# Altium PCB х__логия_v25.PcbDoc (part 1 of 3) (continued)
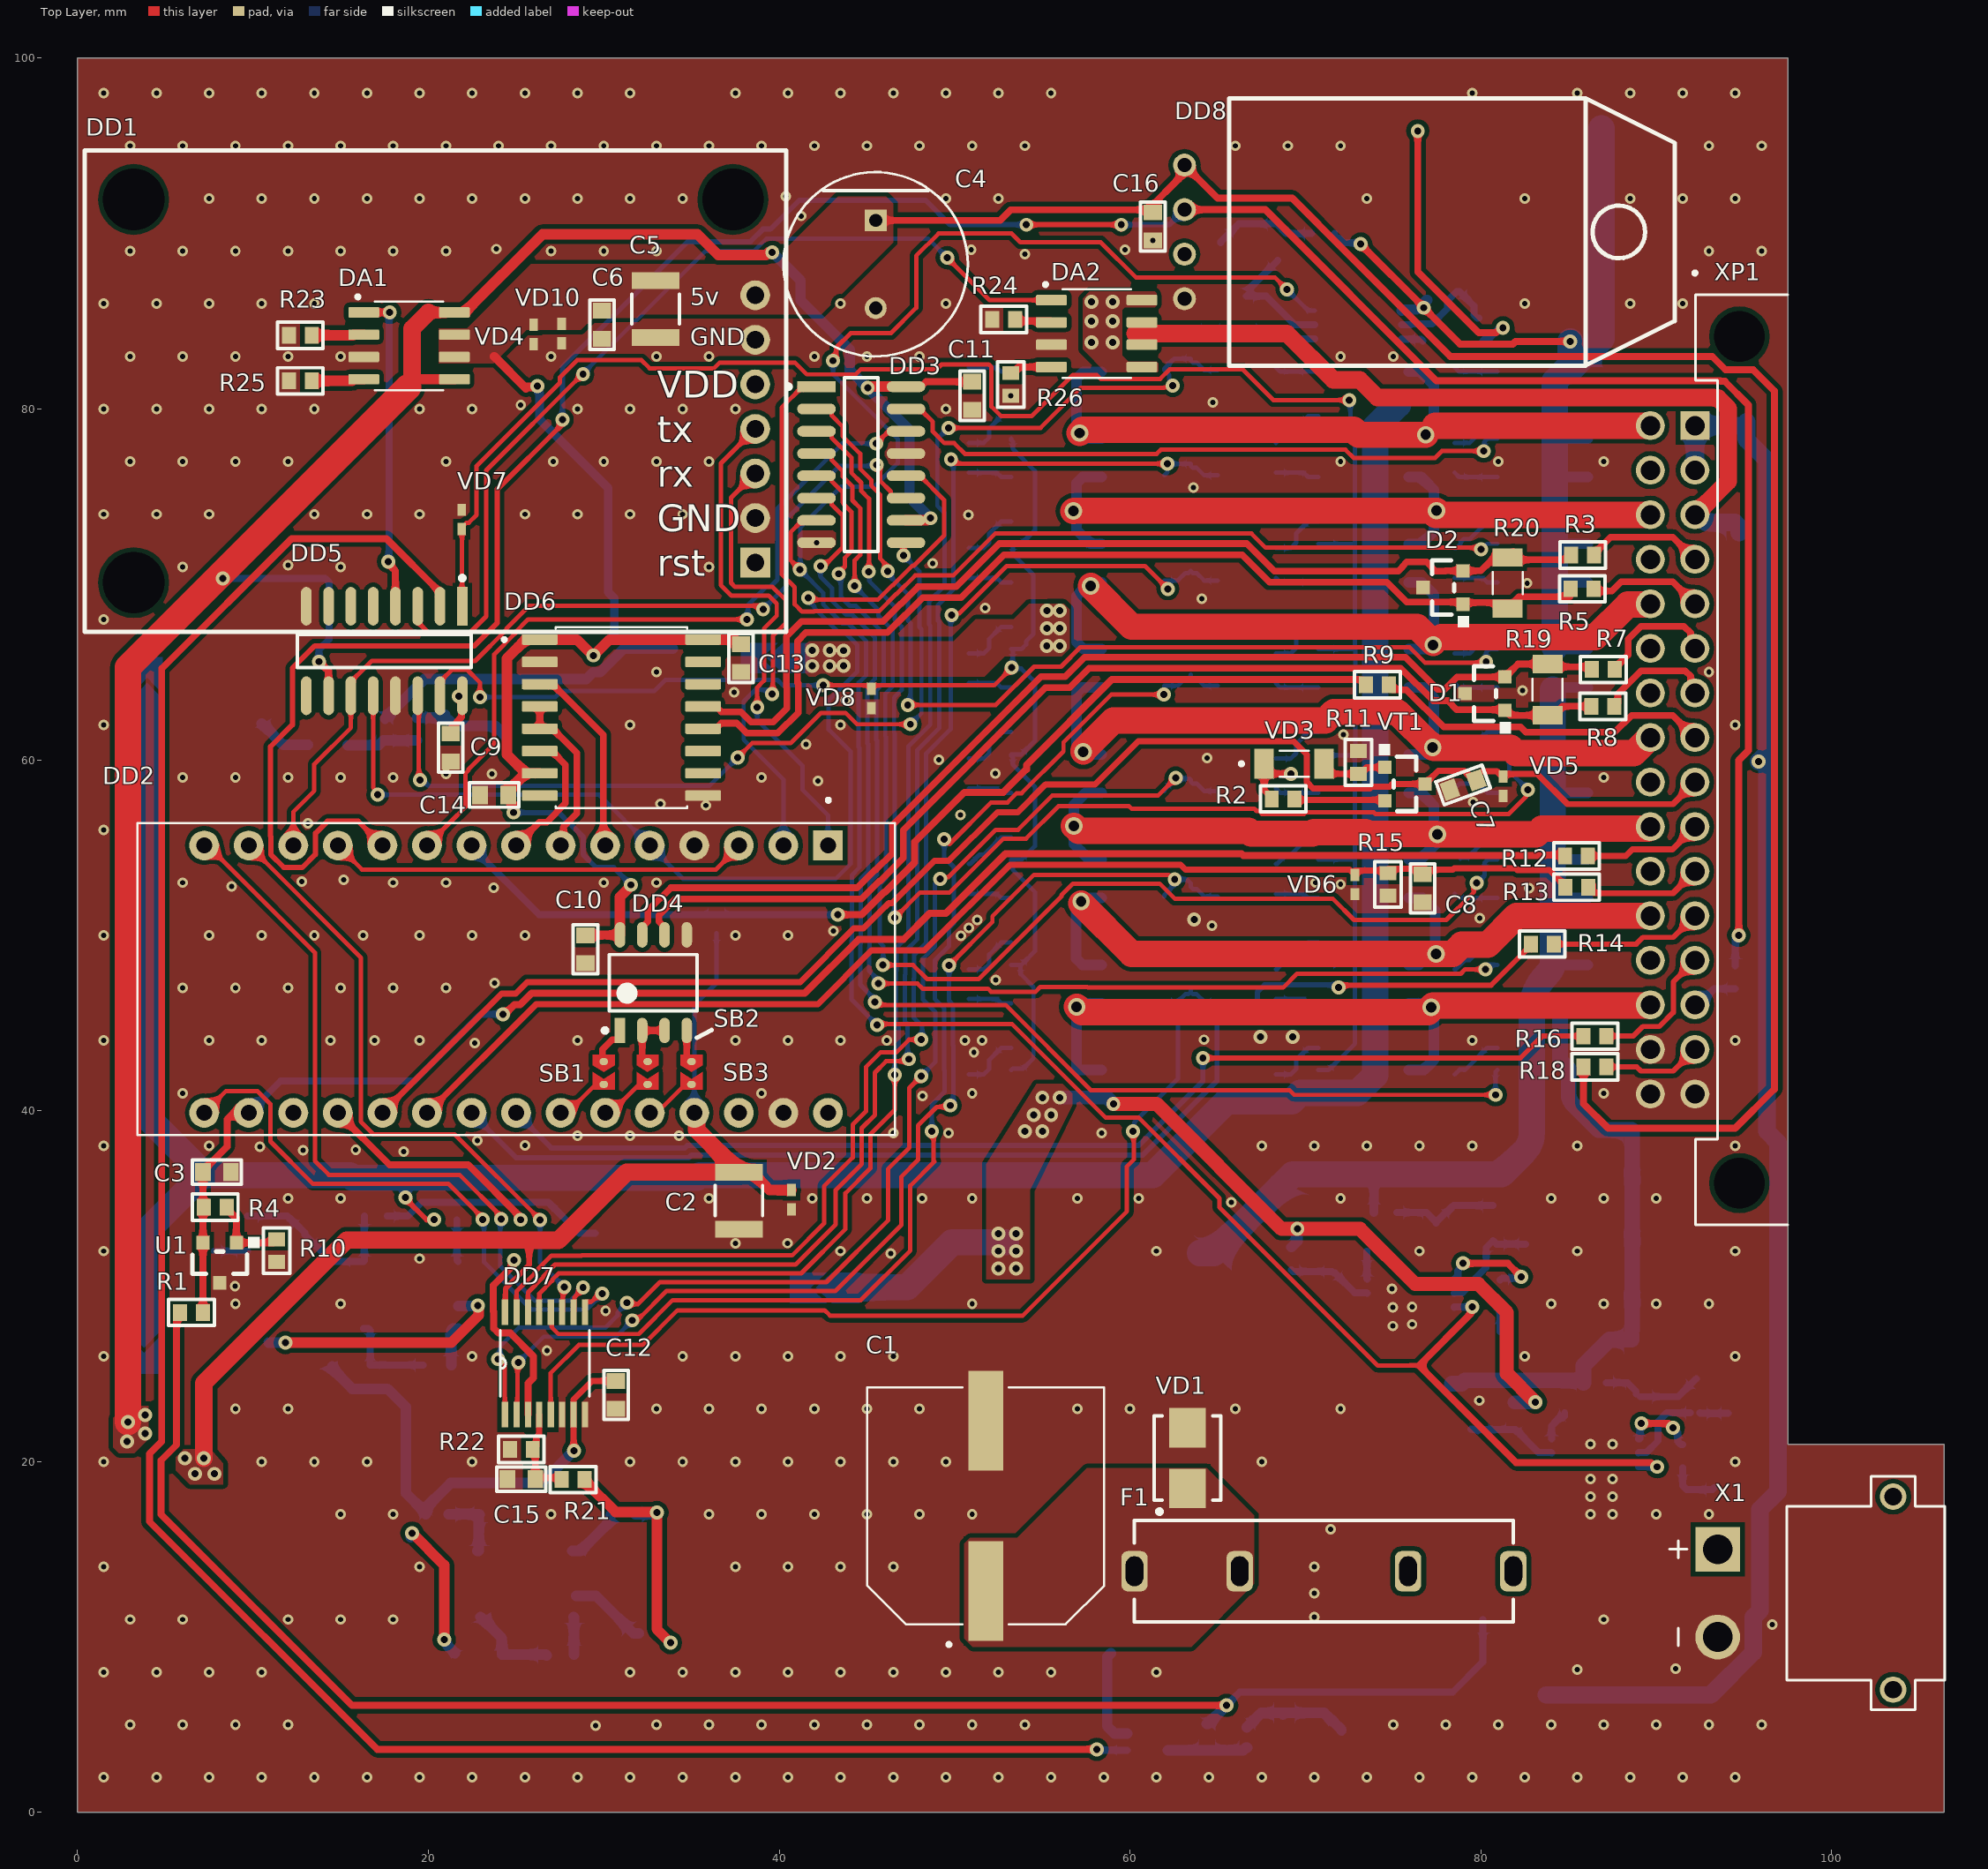
[diagram p0: Top Layer view]
## Components (designator, comment, footprint, x,y, rotation, side; value= is the part's Value field where it differs from the comment) (continued)
R1 "Resistor" 0603R 6.5,28.5 r180 top value="1,0 к"
R2 "Resistor" 0603R 68.725,57.775 r180 top value="1,8 к"
R3 "Resistor" 0603R 85.8,71.675 r0 top value=10
R4 "Resistor" 0603R 7.85,34.5 r180 top value="1,0 к"
R5 "Resistor" 0603R 85.775,69.75 r0 top value=10
R6 "Resistor" 0603R 36.425,50.775 r270 bottom value="10 к"
R7 "Resistor" 0603R 86.975,65.15 r0 top value=10
R8 "Resistor" 0603R 86.95,63.05 r0 top value=10
R9 "Resistor" 0603R 74.1,64.275 r0 top value=10
R10 "Resistor" 0603R 11.35,32.025 r90 top value="1,0 к"
R11 "Resistor" 0603R 73.025,59.85 r270 top value="5,1 к"
R12 "Resistor" 0603R 85.45,54.525 r0 top value=10
R13 "Resistor" 0603R 85.461,52.744 r0 top value=10
R14 "Resistor" 0603R 83.5,49.5 r0 top value=10
R15 "Resistor" 0603R 74.7,52.9 r90 top value="100 к"
R16 "Resistor" 0603R 86.5,44.25 r0 top value=10
R17 "Resistor" 0603R 94.5,47.6 r270 bottom value=10
R18 "Resistor" 0603R 86.5,42.5 r0 top value=10
R19 "Resistor" 1206R 83.8,64 r90 top value=120
R20 "Resistor" 1206R 81.525,70.075 r270 top value=120
R21 "Resistor" 0603R 28.25,18.975 r0 top value="18 к"
R22 "Resistor" 0603R 25.3,20.7 r0 top value="10 к"
R23 "Resistor" 0603R 12.7,84.2 r0 top value="15 к"
R24 "Resistor" 0603R 52.8,85.1 r0 top value="15 к"
R25 "Resistor" 0603R 12.7,81.6 r0 top value="1,0 к"
R26 "Resistor" 0603R 53.2,81.4 r90 top value="1,0 к"
R27_1 "Resistor" 0603R 71,90 r0 bottom value="130 к" (schematic designator R27)
R27_2 "Resistor" 0603R 74.55,34.2 r180 bottom value="130 к" (schematic designator R27)
R27_3 "Resistor" 0603R 86.5,24.5 r180 bottom value="130 к" (schematic designator R27)
R28_1 "Resistor" 0603R 80.1,84.525 r270 bottom value=10 (schematic designator R28)
R28_2 "Resistor" 0603R 69.2,31.575 r90 bottom value=10 (schematic designator R28)
R28_3 "Resistor" 0603R 81.9,22.725 r90 bottom value=10 (schematic designator R28)
R29_1 "TC33X-2-503E" 3mm_trim 66.625,89.475 r180 bottom value="50 к" (schematic designator R29)
R29_2 "TC33X-2-503E" 3mm_trim 78.9,33.6 r180 bottom value="50 к" (schematic designator R29)
R29_3 "TC33X-2-503E" 3mm_trim 90.475,23.725 r180 bottom value="50 к" (schematic designator R29)
R30_1 "Resistor" 0603R 66.15,84.5 r180 bottom value="56 к" (schematic designator R30)
R30_2 "Resistor" 0603R 81.1,29.7 r270 bottom value="56 к" (schematic designator R30)
R30_3 "Resistor" 0603R 91.5,20.3 r270 bottom value="56 к" (schematic designator R30)
R31_1 "Resistor" 0603R 65.975,86.425 r180 bottom value="10 к" (schematic designator R31)
R31_2 "Resistor" 0603R 83.2,32.4 r0 bottom value="10 к" (schematic designator R31)
R31_3 "Resistor" 0603R 94.75,22.75 r0 bottom value="10 к" (schematic designator R31)
R32_1 "Resistor" 0603R 68.311,78.719 r270 bottom value="15 к" (schematic designator R32)
R32_2 "Resistor" 0603R 68.311,72.719 r270 bottom value="15 к" (schematic designator R32)
R32_3 "Resistor" 0603R 68.311,66.719 r270 bottom value="15 к" (schematic designator R32)
R32_4 "Resistor" 0603R 68.4,60.875 r270 bottom value="15 к" (schematic designator R32)
R32_5 "Resistor" 0603R 68.311,54.719 r270 bottom value="15 к" (schematic designator R32)
R32_6 "Resistor" 0603R 68.311,48.719 r270 bottom value="15 к" (schematic designator R32)
R32_7 "Resistor" 0603R 68.311,42.719 r270 bottom value="15 к" (schematic designator R32)
R33_1 "Resistor" 0603R 68.311,81.719 r90 bottom value="1,0 к" (schematic designator R33)
R33_2 "Resistor" 0603R 68.311,75.719 r90 bottom value="1,0 к" (schematic designator R33)
R33_3 "Resistor" 0603R 68.311,69.719 r90 bottom value="1,0 к" (schematic designator R33)
R33_4 "Resistor" 0603R 68.311,63.719 r90 bottom value="1,0 к" (schematic designator R33)
R33_5 "Resistor" 0603R 68.325,57.6 r90 bottom value="1,0 к" (schematic designator R33)
R33_6 "Resistor" 0603R 68.311,51.719 r90 bottom value="1,0 к" (schematic designator R33)
R33_7 "Resistor" 0603R 68.311,45.719 r90 bottom value="1,0 к" (schematic designator R33)
R34_1 "Resistor" 0603R 50.811,78.719 r270 bottom value="15 к" (schematic designator R34)
R34_2 "Resistor" 0603R 50.811,72.719 r270 bottom value="15 к" (schematic designator R34)
R34_3 "Resistor" 0603R 50.811,66.719 r270 bottom value="15 к" (schematic designator R34)
R34_4 "Resistor" 0603R 50.811,60.719 r270 bottom value="15 к" (schematic designator R34)
R34_5 "Resistor" 0603R 50.811,54.719 r270 bottom value="15 к" (schematic designator R34)
R34_6 "Resistor" 0603R 50.811,48.719 r270 bottom value="15 к" (schematic designator R34)
R34_7 "Resistor" 0603R 50.811,42.719 r270 bottom value="15 к" (schematic designator R34)
R35_1 "Resistor" 0603R 50.811,81.719 r90 bottom value="1,0 к" (schematic designator R35)
R35_2 "Resistor" 0603R 50.811,75.719 r90 bottom value="1,0 к" (schematic designator R35)
R35_3 "Resistor" 0603R 50.811,69.719 r90 bottom value="1,0 к" (schematic designator R35)
R35_4 "Resistor" 0603R 50.811,63.719 r90 bottom value="1,0 к" (schematic designator R35)
R35_5 "Resistor" 0603R 50.811,57.719 r90 bottom value="1,0 к" (schematic designator R35)
R35_6 "Resistor" 0603R 50.811,51.719 r90 bottom value="1,0 к" (schematic designator R35)
R35_7 "Resistor" 0603R 50.811,45.719 r90 bottom value="1,0 к" (schematic designator R35)
R36_1 "Resistor" 2512R 63.651,79.219 r0 bottom value=510 (schematic designator R36)
R36_2 "Resistor" 2512R 63.651,73.219 r0 bottom value=510 (schematic designator R36)
R36_3 "Resistor" 2512R 63.651,67.219 r0 bottom value=510 (schematic designator R36)
R36_4 "Resistor" 2512R 63.651,61.219 r0 bottom value=510 (schematic designator R36)
R36_5 "Resistor" 2512R 63.651,55.219 r0 bottom value=510 (schematic designator R36)
R36_6 "Resistor" 2512R 63.651,49.219 r0 bottom value=510 (schematic designator R36)
R36_7 "Resistor" 2512R 63.651,43.219 r0 bottom value=510 (schematic designator R36)
R37_1 "Resistor" 0603R 61.301,82.219 r180 bottom value="10 к" (schematic designator R37)
R37_2 "Resistor" 0603R 61.301,76.219 r180 bottom value="10 к" (schematic designator R37)
R37_3 "Resistor" 0603R 61.301,70.219 r180 bottom value="10 к" (schematic designator R37)
R37_4 "Resistor" 0603R 61.301,64.219 r180 bottom value="10 к" (schematic designator R37)
R37_5 "Resistor" 0603R 61.301,58.219 r180 bottom value="10 к" (schematic designator R37)
R37_6 "Resistor" 0603R 61.301,52.219 r180 bottom value="10 к" (schematic designator R37)
R37_7 "Resistor" 0603R 61.301,46.219 r180 bottom value="10 к" (schematic designator R37)
R38_1 "Resistor" 0603R 78.511,78.719 r270 bottom value="15 к" (schematic designator R38)
R38_2 "Resistor" 0603R 78.61,72.723 r270 bottom value="15 к" (schematic designator R38)
R38_3 "Resistor" 0603R 78.511,66.719 r270 bottom value="15 к" (schematic designator R38)
R38_4 "Resistor" 0603R 78.511,60.719 r270 bottom value="15 к" (schematic designator R38)
R38_5 "Resistor" 0603R 78.85,54.8 r270 bottom value="15 к" (schematic designator R38)
R38_6 "Resistor" 0603R 78.675,48.725 r270 bottom value="15 к" (schematic designator R38)
R38_7 "Resistor" 0603R 78.511,42.719 r270 bottom value="15 к" (schematic designator R38)
R39_1 "Resistor" 0603R 78.511,81.719 r90 bottom value="1,0 к" (schematic designator R39)
R39_2 "Resistor" 0603R 78.575,75.725 r90 bottom value="1,0 к" (schematic designator R39)
R39_3 "Resistor" 0603R 78.511,69.719 r90 bottom value="1,0 к" (schematic designator R39)
R39_4 "Resistor" 0603R 78.511,63.719 r90 bottom value="1,0 к" (schematic designator R39)
R39_5 "Resistor" 0603R 78.511,57.719 r90 bottom value="1,0 к" (schematic designator R39)
R39_6 "Resistor" 0603R 78.511,51.719 r90 bottom value="1,0 к" (schematic designator R39)
R39_7 "Resistor" 0603R 78.511,45.719 r90 bottom value="1,0 к" (schematic designator R39)
R40_1 "Resistor" 0603R 65.651,82.219 r180 bottom value="5,1 к" (schematic designator R40)
R40_2 "Resistor" 0603R 65.651,76.219 r180 bottom value="5,1 к" (schematic designator R40)
R40_3 "Resistor" 0603R 65.651,70.219 r180 bottom value="5,1 к" (schematic designator R40)
R40_4 "Resistor" 0603R 65.651,64.219 r180 bottom value="5,1 к" (schematic designator R40)
R40_5 "Resistor" 0603R 65.651,58.219 r180 bottom value="5,1 к" (schematic designator R40)
R40_6 "Resistor" 0603R 65.651,52.219 r180 bottom value="5,1 к" (schematic designator R40)
R40_7 "Resistor" 0603R 65.651,46.219 r180 bottom value="5,1 к" (schematic designator R40)
R41 "Resistor" 0603R 17.5,61.75 r90 bottom value="10 к"
R42 "Resistor" 0603R 10.6,62.9 r90 bottom value="1,0 к"
R43 "Resistor" 0603R 19.35,61.75 r270 bottom value=470
R44 "TC33X-2-101E" 3mm_trim 22.975,61.275 r0 bottom value=100
R45 "Resistor" 0603R 20.975,33.775 r180 bottom value="1,0 к"
R46 "Resistor" 0603R 17,34 r0 bottom value="100 к"
R47 "TC33X-2-102E" 3mm_trim 11.5,33 r0 bottom value="1 к"
R48 "Resistor" 0603R 7.15,32 r0 bottom value="10 к"
R49 "Resistor" 0603R 64.375,4.4 r90 bottom value="10 к"
R50 "Resistor" 0603R 66.675,4.35 r270 bottom value=470
R51 "TC33X-2-101E" 3mm_trim 70.6,4.675 r0 bottom value=100
R52 "Resistor" 0603R 31.15,17 r0 bottom value="1,0 к"
R53 "Resistor" 0603R 20.5,17 r180 bottom value="100 к"
R54 "Resistor" 0603R 23.65,17 r180 bottom value="31,6 к"
SB1 "SB" 0805SB 29.375,43.2 r270 top
SB2 "SB" 0805SB 31.875,43.2 r270 top
SB3 "SB" 0805SB 34.375,43.2 r270 top
SB4 "SB" 1206SB 3.975,63.875 r90 bottom
SB5 "SB" 1206SB 39.8,65.8 r180 bottom
SB6 "SB" 1206SB 3.8,27 r270 bottom
SB7 "SB" 1206SB 42.6,29.9 r180 bottom
U1 "UMW TL431 0.5%" SOT23-3 9.055,32.475 r270 top
VD1 "SMBJ13A-TR" SMB 63.275,20.2 r90 top value="13 В"
VD2 "PESD5V0S1UB" SOD523 40.7,34.925 r270 top value="5 В"
VD3 "BZV55B2V4" mini_MELF_3.5mm 69.35,59.775 r0 top value="2.4 В"
VD4 "PESD5V0S1UB" SOD523 26,84.25 r270 top value="5 В"
VD5 "PESD5V0S1UB" SOD523 81.275,58.5 r270 top value="5 В"
VD6 "PESD5V0S1UB" SOD523 72.821,52.894 r270 top value="5 В"
VD7 "PESD5V0S1UB" SOD523 21.9,73.7 r90 top value="5 В"
VD8 "PESD5V0S1UB" SOD523 45.25,63.5 r270 top value="5 В"
VD9 "SMAJ12CA" SMA 94.75,77.865 r270 bottom value="12 В"
VD10 "PESD5V0S1UB" SOD523 27.6,84.3 r270 top value="5 В"
VD11 "SMAJ12CA" SMA 94.725,70.85 r270 bottom value="12 В"
VD12_1 "SK810" SMC 83,93 r90 bottom (schematic designator VD12)
VD12_2 "SK810" SMC 64,28.5 r270 bottom (schematic designator VD12)
VD12_3 "SK810" SMC 75.021,19.59 r270 bottom (schematic designator VD12)
VD13_1 "PESD5V0S1UB" SOD523 63.451,82.319 r270 bottom value="5 В" (schematic designator VD13)
VD13_2 "PESD5V0S1UB" SOD523 63.451,76.319 r270 bottom value="5 В" (schematic designator VD13)
VD13_3 "PESD5V0S1UB" SOD523 63.451,70.319 r270 bottom value="5 В" (schematic designator VD13)
VD13_4 "PESD5V0S1UB" SOD523 63.451,64.319 r270 bottom value="5 В" (schematic designator VD13)
VD13_5 "PESD5V0S1UB" SOD523 63.451,58.319 r270 bottom value="5 В" (schematic designator VD13)
VD13_6 "PESD5V0S1UB" SOD523 63.451,52.319 r270 bottom value="5 В" (schematic designator VD13)
VD13_7 "PESD5V0S1UB" SOD523 63.451,46.319 r270 bottom value="5 В" (schematic designator VD13)
VD14 "15MQ040N" SMA 29.875,70.9 r180 bottom
VD15 "BAT54WS" SOD-323 15.5,25.5 r180 bottom
VD16 "15MQ040N" SMA 18.5,22.5 r180 bottom
VD17 "15MQ040N" SMA 78,11 r180 bottom
VD18 "BAT54WS" SOD-323 23,9 r180 bottom
VD19 "10S45SP" TO-277 26.3,5.425 r180 bottom
VT1 "bc807" SOT23-3 74.525,59.575 r0 top
X1 "XT30PW-M" XT30PW-M 103.5,12.5 r270 top
XP1 "DIN41612_32_2row_right_angle_father" DIN41612_32_2row_right_angle_father 97.5,60 r90 top

## Footprints (in the part's own frame and the unit in brackets; to place one, negate y for a bottom-side part, rotate by r counter-clockwise, add the part's x,y. Pads: shape width x height; smd on the part's side, far side on the other; paste and mask are expansions set on the pad)
3mm_trim [mm]
  rect 1.2x1.2 smd: 1(-1.8,1) 3(-1.8,-1)
  rect 1.5x1.6 smd: 2(1.45,0)
  silkscreen extent -3.07,-1.8 1.8,1.8, body extent -1.9,-1.5 1.9,1.5, height 1.19
8SOP(Exposed_Pad) [mm]
  rect 1.55x0.6 smd: 1(-2.7,1.905) 2(-2.7,0.635) 3(-2.7,-0.635) 4(-2.7,-1.905) 5(2.7,-1.905) 6(2.7,-0.635) 7(2.7,0.635) 8(2.7,1.905)
  rect 2.3x2.3 smd paste-2: 9(0,0)
  silkscreen extent -1.55,-2.45 1.55,2.45, body extent -3,-2.45 3,2.45, height 1.75
10x20_radial [mm]
  rect 1.25x1.25 hole 0.75 paste-2539.97 mask+0: 1(-2.5,0)
  round 1.25 hole 0.75 paste-2539.97 mask+0: 2(2.5,0)
  silkscreen extent -5.25,-5.25 5.25,5.25, body extent -5.35,-5.35 5.35,5.35, height 0.25
0603C [mm] "Chip Resistor, 2-Leads, Body 1,40x0,80mm, IPC Medium Density"
  rect 0.9x1.05 smd: 1(-0.8,0) 2(0.8,0)
  silkscreen extent -1.4,-0.7 1.4,0.7, body extent -0.85,-0.45 0.85,0.45, height 0.9
0603R [mm] "Chip Resistor, 2-Leads, Body 1.60x0.85mm, IPC Medium Density"
  rect 0.8x0.95 smd: 1(-0.65,0) 2(0.65,0)
  silkscreen extent -1.3,-0.75 1.3,0.75, body extent -0.87,-0.47 0.88,0.48, height 0.9
0805SB [mm]
  oval 0.4x0.5 smd: 1(0.4,0.625) 2(1.7,0.625)
  Top Layer region: 1,1.25 1.4,0.625 1,0 2,0 2,1.25
  Top Layer region: 0,1
  Top Layer region: 0,1.25
  Top Layer region: 0,1.25 0,0 0.6,0 1,0.625 0.6,1.25
  body extent 0.4,0 1.7,1.25, height 0.3
1206C [mm]
  rect 1.4x2 smd paste+0 mask+0: 1(-1.8,0) 2(1.8,0)
  silkscreen extent -0.85,-1.35 0.85,1.35, body extent -1.6,-0.74 1.6,0.86, height 1.59
1206R [mm]
  rect 1.05x1.72 smd: 1(-1.46,0) 2(1.46,0)
  silkscreen extent -0.62,-0.85 0.62,0.85, body extent -1.55,-0.78 1.55,0.77, height 0.65
1206SB [mm]
  rect 1.05x1.72 smd: 1(-1.46,0) 2(1.46,0)
  Top Layer region: -0.102,0.864 0.813,0 -0.102,-0.864 1.981,-0.864 1.981,0.864
  Top Layer region: -1.143,0.365
  Top Layer region: -1.143,0.615
  Top Layer region: -1.981,0.864 -1.981,-0.864 -0.406,-0.864 0.508,0 -0.411,0.864
  silkscreen extent -0.61,-1.14 0.61,1.14, body extent -0.97,-0.86 0.97,0.86, height 0.3
1210C [mm]
  rect 0.954x2.706 smd paste+0 mask+0: 1(-1.625,0) 2(1.625,0)
  silkscreen extent -0.85,-1.35 0.85,1.35, body extent -2.35,-1.6 2.35,1.6, height 0.25
2512R [mm]
  rrect7% 1.9x3.37 smd: 1(-2.66,0) 2(2.66,0)
  silkscreen extent -3.15,-1.87 3.15,1.87, body extent -3.18,-1.6 3.17,1.6, height 0.65
arduino_nano [mm]
  rect 1.7x1.7 / inner round 1.8 / far side rect 1.8x1.8 hole 0.9: 1(-7.62,17.78)
  round 1.7 hole 0.9: 2(-7.62,15.24) 3(-7.62,12.7) 4(-7.62,10.16) 5(-7.62,7.62) 6(-7.62,5.08) 7(-7.62,2.54) 8(-7.62,0) 9(-7.62,-2.54) 10(-7.62,-5.08) 11(-7.62,-7.62) 12(-7.62,-10.16) 13(-7.62,-12.7) 14(-7.62,-15.24) 15(-7.62,-17.78) 16(7.62,-17.78) 17(7.62,-15.24) 18(7.62,-12.7) 19(7.62,-10.16) 20(7.62,-7.62) 21(7.62,-5.08) 22(7.62,-2.54) 23(7.62,0) 24(7.62,2.54) 25(7.62,5.08) 26(7.62,7.62) 27(7.62,10.16) 28(7.62,12.7) 29(7.62,15.24) 30(7.62,17.78)
  silkscreen extent -10.3,-21.59 8.89,21.59, body extent -8.89,-23.4 8.89,21.59, height 21.25
B82462G4 [mm]
  rect 1.5x2.4 smd: 1(-2.75,0) 2(2.75,0)
  silkscreen extent -3.15,-3.15 3.15,3.15, body extent -3.15,-3.15 3.15,3.15, height 3
DHT22 [mm]
  round 1.308 hole 0.8: DATA(-1.27,0) GND(3.81,0) NC(1.27,0) VDD(-3.81,0)
  silkscreen extent -7.62,2.54 7.62,27.94, body extent -7.55,-0.25 7.55,27.64, height 7.7
DIN41612_32_2row_right_angle_father [mm]
  rect 1.65x1.65 / inner round 1.65 / far side rect 1.65x1.65 hole 1.1: A1(19.05,5.3)
  round 1.65 hole 1.1: A2(16.51,5.3) A3(13.97,5.3) A4(11.43,5.3) A5(8.89,5.3) A6(6.35,5.3) A7(3.81,5.3) A8(1.27,5.3) A9(-1.27,5.3) A10(-3.81,5.3) A11(-6.35,5.3) A12(-8.89,5.3) A13(-11.43,5.3) A14(-13.97,5.3) A15(-16.51,5.3) A16(-19.05,5.3) B1(19.05,7.84) B2(16.51,7.84) B3(13.97,7.84) B4(11.43,7.84) B5(8.89,7.84) B6(6.35,7.84) B7(3.81,7.84) B8(1.27,7.84) B9(-1.27,7.84) B10(-3.81,7.84) B11(-6.35,7.84) B12(-8.89,7.84) B13(-11.43,7.84) B14(-13.97,7.84) B15(-16.51,7.84) B16(-19.05,7.84)
  round 0 hole 2.9 unplated: ""(-24.13,2.76) ""(24.13,2.76)
  silkscreen extent -26.5,0 27.85,5.4, body extent -26.52,-7.28 26.53,8.18, height 6.84
fuse_20x5_on_clips_FC-M [mm]
  rrect50% 1.5x2.3 hole 1 slot 1.7 at 90 deg: 1(4.8,0) 1(10.8,0) 2(-10.8,0) 2(-4.8,0)
  silkscreen extent -10.8,-2.9 10.8,2.9, body extent -10.8,-2.9 10.8,2.9, height 8.05
IHLP-2525 [mil]
  rect 95x135 smd: 1(-115,0) 2(115,0)
  silkscreen extent -127,-127 127,127, body extent -135,-127 135,127, height 118
IHLP-4040 [mil]
  rect 125x195 smd paste+0 mask+0: 1(-177.5,0) 2(177.5,0)
  silkscreen extent -202,-202 202,202, body extent -213,-200 213,200, height 158
mini_MELF_3.5mm [mm]
  rect 1.11x1.73 smd: 1(1.705,0) 2(-1.705,0)
  silkscreen extent -3.1,-0.75 0.83,0.75, body extent -1.75,-0.8 1.75,0.8, height 1.6
sim800l [mm]
  rect 1.7x1.7 hole 1: 1(0,0)
  round 1.7 hole 1: 2(0,2.54) 3(0,5.08) 4(0,7.62) 5(0,10.16) 6(0,12.7) 7(0,15.24)
  round 0 hole 3.5 unplated: 8(-35.433,-1.143) 8(-35.433,20.701) 8(-1.27,20.701)
  silkscreen extent -38.23,-3.94 1.77,23.5, body extent -38.2,-4.01 1.65,23.56, height 16.46
SMA [mm]
  rect 2.12x1.5 smd: 1(2.115,0) 2(-2.115,0)
  silkscreen extent -3.1,-1.35 2.16,1.28, body extent -2.57,-1.28 2.57,1.28, height 2.5
SMB [mm] "Diod"
  rect 2.25x2.1 smd: 1(1.725,0) 2(-1.725,0)
  silkscreen extent -3.17,-1.9 2.4,1.9, body extent -2.57,-1.9 2.57,1.9, height 2.4
SMC [mm]
  rect 2x3.6 smd: 1(3.415,0.021) 2(-3.385,0.021)
  silkscreen extent -5.08,-2.93 3.45,2.97, body extent -3.96,-2.93 3.99,2.97, height 2.65
SMD_cap_12,5x13,5 [mm]
  rect 5.7x2 smd: 1(-4.85,0) 2(4.85,0)
  silkscreen extent -8,-6.75 6.75,6.75, body extent -7.45,-6.75 7.45,6.75, height 13.5
SOD523 [mm]
  rect 0.7x0.5 smd: 1(0.55,0) 2(-0.55,0)
  body extent -0.8,-0.4 0.8,0.4, height 0.65
SOD-323 [mm]
  rect 1.04x0.46 smd: 1(1.19,0) 2(-1.19,0)
  silkscreen extent -1.55,-0.8 0.85,0.65, body extent -1.25,-0.65 1.25,0.65, height 1.2
SOIC-8 [mm] "for operational amplifier"
  rect 1.45x0.6 smd: 1(-2.725,1.905)
  oval 1.45x0.6 smd: 2(-2.725,0.635) 3(-2.725,-0.635) 4(-2.725,-1.905) 5(2.725,-1.905) 6(2.725,-0.635) 7(2.725,0.635) 8(2.725,1.905)
  silkscreen extent -2.85,-2.5 1.6,2.88, body extent -3,-2.5 3,2.5, height 1.75
SOIC-16 [mm] "SOT109-1"
  rect 2.204x0.608 smd paste+0 mask+0: 1(-2.551,4.445)
  rrect100% 2.204x0.608 smd paste+0 mask+0: 2(-2.551,3.175) 3(-2.551,1.905) 4(-2.551,0.635) 5(-2.551,-0.635) 6(-2.551,-1.905) 7(-2.551,-3.175) 8(-2.551,-4.445) 9(2.551,-4.445) 10(2.551,-3.175) 11(2.551,-1.905) 12(2.551,-0.635) 13(2.551,0.635) 14(2.551,1.905) 15(2.551,3.175) 16(2.551,4.445)
  silkscreen extent -4.28,-4.95 0.95,4.95, body extent -4.15,-5.45 4.15,5.45, height 0.25
SOIC-16W [mm]
  rrect25% 2.05x0.6 smd: 1(-4.655,4.445) 2(-4.655,3.175) 3(-4.655,1.905) 4(-4.655,0.635) 5(-4.655,-0.635) 6(-4.655,-1.905) 7(-4.655,-3.175) 8(-4.655,-4.445) 9(4.655,-4.445) 10(4.655,-3.175) 11(4.655,-1.905) 12(4.655,-0.635) 13(4.655,0.635) 14(4.655,1.905) 15(4.655,3.175) 16(4.655,4.445)
  silkscreen extent -6.78,-5.15 3.75,5.15, body extent -5.16,-5.15 5.16,5.15, height 2.65
SOP8 [mm]
  rrect25% 1.76x0.6 smd: 1(-2.58,1.905) 2(-2.58,0.635) 3(-2.58,-0.635) 4(-2.58,-1.905) 5(2.58,-1.905) 6(2.58,-0.635) 7(2.58,0.635) 8(2.58,1.905)
  silkscreen extent -3.02,-2.52 1.95,2.89, body extent -3,-2.42 3,2.42, height 2.1
SOT23-3 [mil]
  rect 30x30 smd: 1(0,0) 2(0,-75) 3(90,-37.5)
  silkscreen extent -13,-98 70,52, body extent -4,-97 94,21, height 41
SOT23-6 [mm]
  rect 0.6x1.2 smd: 1(-0.95,-1.15) 2(0,-1.15) 3(0.95,-1.15) 4(0.95,1.15) 5(0,1.15) 6(-0.95,1.15)
  silkscreen extent -1.52,-0.61 1.52,0.61, body extent -1.46,-1.4 1.46,1.4, height 1.4
TO-277 [mm]
  rect 1.4x1.6 smd: 1(-2.775,-1.05) 1(-2.775,1.05)
  rect 5x5 smd paste-3: 2(0.975,0)
  silkscreen extent -4.3,-2.2 -1.88,2.2, body extent -3.25,-2.3 3.25,2.3, height 1.2
TSSOP-16 [mil]
  rect 58x14 smd: 1(-115,90) 2(-115,64) 3(-115,38) 4(-115,13) 5(-115,-13) 6(-115,-38) 7(-115,-64) 8(-115,-90) 9(115,-90) 10(115,-64) 11(115,-38) 12(115,-13) 13(115,13) 14(115,38) 15(115,64) 16(115,90)
  silkscreen extent -74,-100 74,100, body extent -126,-98 126,98, height 43
WDFN5x5-12 [mm]
  rect 0.35x0.85 smd: 1(-2,-2.475) 2(-1.2,-2.475) 3(-0.4,-2.475) 4(0.4,-2.475) 5(1.2,-2.475) 6(2,-2.475) 7(2,2.475) 8(1.2,2.475) 9(0.4,2.475) 10(-0.4,2.475) 11(-1.2,2.475) 12(-2,2.475)
  rect 4.3x3.7 smd: 13(0,0)
  body extent -2.5,-2.5 2.5,2.5, height 0.75
XT30PW-M [mm]
  round 2.55 hole 1.7: N(2.5,-10)
  rect 2.55x2.55 / inner round 2.55 / far side rect 2.55x2.55 hole 1.7: P(-2.5,-10)
  round 1.508 hole 1: S1(5.5,0) S2(-5.5,0)
  silkscreen extent -6.65,-12.75 6.65,2.95, body extent -6.65,-11 6.65,2.95, height 5